# KiCad board CPU.kicad_pcb (continued)
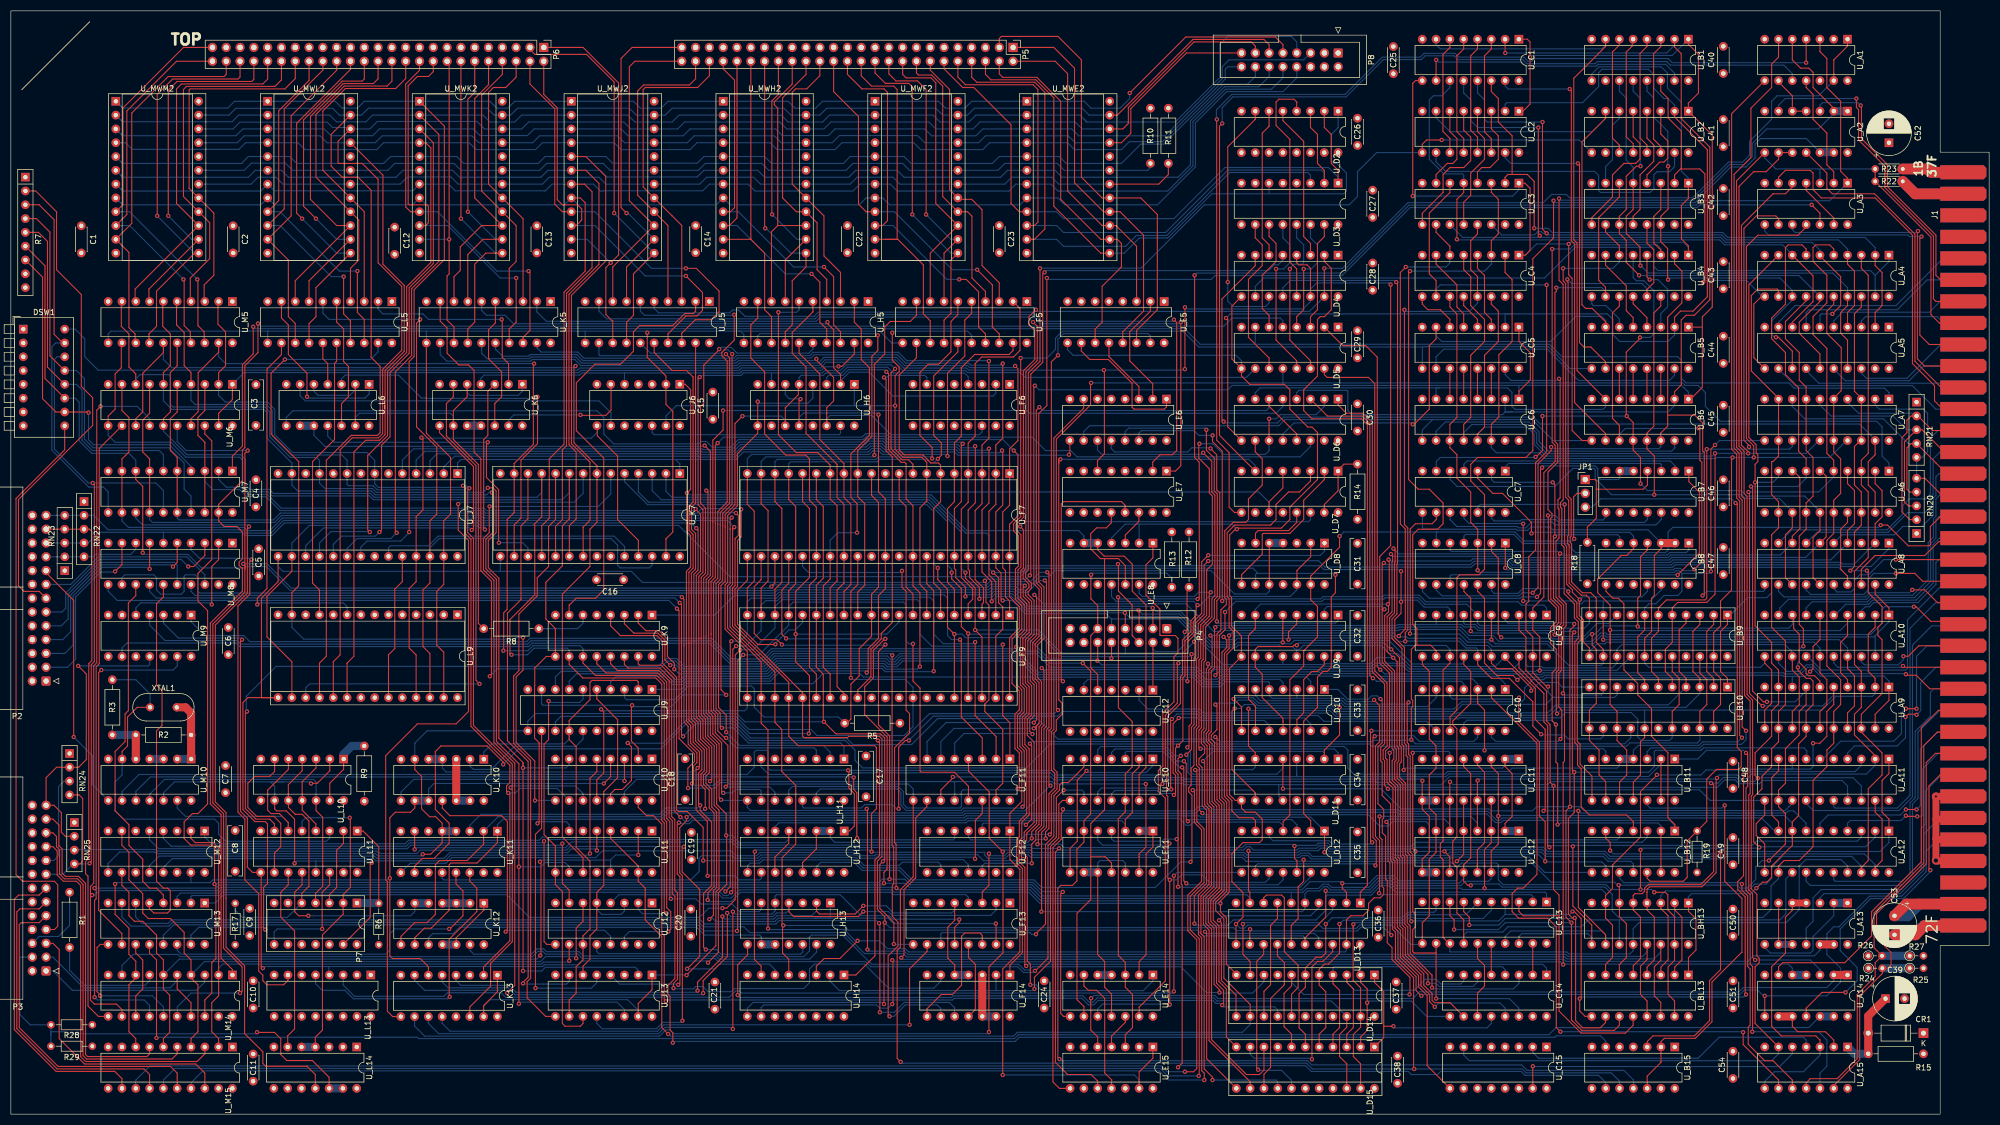
[diagram p0: board, top side]
## Routing (per net, layer and track width the routed paths; a pad name or vN(x,y) marks a point on that pad's centre or on a via; arc(x,y) is an arc through that point) (continued)
MWS.A_{8}: length 332.3
  Top w0.2: U_MWL2.23 58.93,180.27 58.93,174.42 60.97,172.39 63.88,172.39 66.29,169.98 66.29,139.25 67.95,137.59 67.95,125.4 67.44,124.89 62.61,124.89 58.04,120.32 58.04,84.25 56.79,83 U_L9.18 ; U_MWE2.23 203.58,183.82 217.51,197.75 230.56,197.75 231.52,196.78 P8.11
  Bottom w0.2: U_MWK2.23 91.95,183.82 93.22,185.09 113.8,185.09 115.07,183.82 U_MWJ2.23 120.4,183.82 121.67,185.09 142.25,185.09 143.52,183.82 U_MWH2.23 148.85,183.82 150.12,185.09 170.19,185.09 171.46,183.82 U_MWF2.23 176.03,183.82 177.3,185.09 197.11,185.09 198.38,183.82 U_MWE2.23 ; 90.18,183.82 88.91,183.82 87.64,185.09 65.79,185.09 64.52,183.82 U_MWL2.23 60.46,183.82 59.21,185.07 41.39,185.07 40.14,183.82 U_MWM2.23
MWS.A_{9}: length 331.5
  Top w0.2: U_MWE2.22 204.6,181.28 205.62,182.3 205.62,185.21 217.7,197.29 228.22,197.29 228.98,196.53 P8.13 ; U_MWL2.22 60.2,179 60.2,174.93 64.65,174.93 67.57,172.01 67.57,156.64 71.92,152.29 71.92,140.55 68.4,137.03 68.4,125.21 67.63,124.44 62.8,124.44 60.58,122.22 60.58,84.51 59.33,83.25 U_L9.19
  Bottom w0.2: 62.23,181.53 59.19,181.53 58.19,182.53 42.15,182.53 40.9,181.28 U_MWM2.22 ; U_MWL2.22 66.05,181.28 67.41,182.65 85.76,182.65 87.13,181.28 U_MWK2.22 93.99,181.28 95.26,182.55 112.78,182.55 114.05,181.28 U_MWJ2.22 122.69,181.28 123.96,182.55 141.48,182.55 142.75,181.28 U_MWH2.22 149.61,181.28 150.88,182.55 168.92,182.55 170.19,181.28 U_MWF2.22 177.04,181.28 178.31,182.55 195.84,182.55 197.11,181.28 U_MWE2.22
MWS.A_{10}: length 319.8
  Top w0.2: 226.43,195.26 216.31,195.26 206.07,185.02 206.07,180.46 204.35,178.74 U_MWE2.21 ; U_MWL2.21 68.46,172.77 68.46,156.4 72.39,152.46 72.37,152.44 72.37,140.36 68.86,136.84 68.86,125.02 67.82,123.98 65.26,123.98 63.12,121.84 63.12,84.25 61.85,82.98 61.87,82.97 61.87,76.64
  Bottom w0.2: U_MWE2.21 195.84,178.74 194.57,180.01 179.33,180.01 178.06,178.74 U_MWF2.21 168.15,178.74 166.84,180.06 152.45,180.06 151.14,178.74 U_MWH2.21 141.74,178.74 140.47,180.01 125.74,180.01 124.47,178.74 U_MWJ2.21 112.91,178.74 111.64,180.01 97.29,180.01 96.02,178.74 U_MWK2.21 86.11,178.74 84.84,180.01 68.33,180.01 67.06,178.74 U_MWL2.21 58.17,178.74 56.9,180.01 42.93,180.01 41.66,178.74 U_MWM2.21
P7_1: length 19.6
  Top w0.2: R6.2 67.69,49.2 64.8,52.09 U_L11.1
  Bottom w1.5: R6.2 67.63,38.85 P7.1
P7_2: length 58.3
  Top w0.2: v1(62.36,54.53) 62.46,54.43 62.46,41.73 61.14,40.42 P7.2 61.14,36.81 57.33,32.99 57.33,15.47 56.02,14.15 U_L14.4
  Bottom w0.2: U_L11.5 53.58,53.88 54.23,54.53 v1(62.36,54.53)
  Bottom w1.5: U_L14.4 U_L14.5
P7_3: length 14.3
  Top w0.2: P7.3 58.61,40.37 59.93,41.69 59.93,48.55 61.19,49.81 U_L11.2
P7_4: length 56.4
  Top w0.2: P7.4 56.06,40.62 57.37,41.93 57.37,54.63 56.16,55.85 U_L10.12
  Bottom w0.2: U_L10.12 56.16,61.12 55.68,61.59 28.27,61.59 25.55,58.87 U_M10.11
P7_5: length 45.6
  Top w0.2: P7.5 53.53,40.62 54.84,41.94 54.84,53.92 53.6,55.17 52.33,55.17 51.08,56.42 U_L10.10 ; 51.06,57.72 51.06,60.63 53.6,63.18 53.6,65.34
  Bottom w0.2: P7.5 50.87,36.19 42.6,36.19 41.28,37.52 R17.1
P7_8: length 22.3
  Top w0.2: v1(57.28,34.08) 57.28,40.82 58.66,42.19 U_L11.14
  Bottom w0.2: 48.44,31.23 48.44,33.51 49.01,34.08 v1(57.28,34.08)
P7_13: length 90.2
  Top w0.2: v1(52.2,46.16) 52.2,54.28 50.68,55.8 48.9,55.8 48.53,56.17 U_L10.9 ; v1(55.22,60.84) 55.27,60.88 56.39,60.88 58.68,63.18 58.68,65.34 ; v1(66.42,46.27) 66.12,45.97 66.12,36.2 P7.13
  Bottom w0.2: v1(52.2,46.16) 52.61,46.57 56.1,46.57 ; v1(66.42,46.27) 66.12,46.57 56.1,46.57 ; 56.1,46.57 56.11,46.56 U_L11.13 ; U_M10.12 28.09,59.12 30.1,61.14 50.17,61.14 ; U_L10.9 48.53,60.36 47.75,61.14 54.92,61.14 v1(55.22,60.84)
Res.D_{0}: length 288.7
  Top w0.2: U_B4.3 303.58,159.01 302.26,160.32 ; v1(281.31,81.61) 281.31,87.81 280.04,89.08 U_C9.2 280.04,93.14 282.07,95.17 282.07,118.03 284.16,120.12 284.16,123.06 283.59,123.62 v1(283.59,159.18) ; U_B3.3 303.58,166.47 302.26,165.15 ; 302.31,160.32 302.31,165.15 ; v1(221.11,6.27) 221.11,6.78 219.56,8.33 219.56,32.64 218.96,33.24 218.96,40.12 220.91,42.06 220.91,56.32 220.11,57.12 220.11,67.78 219.5,68.39 219.5,70.27 219.96,70.73 219.96,81.92 220.26,82.22 v1(220.26,82.85)
  Bottom w0.2: v1(283.59,159.18) 286.9,159.18 287.67,159.96 302.88,159.96 303.58,159.26 U_B4.3 ; U_D15.15 233.11,5.96 232.79,6.27 v1(221.11,6.27) ; v1(220.26,82.85) 220.85,82.27 241.11,82.27 241.42,81.97 250.59,81.97 251.13,82.51 256.1,82.51 257.15,81.46 280.53,81.46 280.73,81.66 295.52,81.66 U_B9.15
Res.D_{1}: length 274.6
  Top w0.2: v1(220.72,88.06) 221.02,87.76 221.02,82.33 220.42,81.73 220.42,70.54 219.96,70.08 219.96,68.58 220.56,67.97 220.56,57.31 221.36,56.51 221.36,41.88 219.42,39.93 219.42,34.92 220.47,33.86 220.47,13.52 228.03,5.96 U_D15.13 ; U_B3.13 301.04,160.28 302.3,159.02 302.3,152.99 301.04,151.74 U_B4.13 ; v1(272.41,87.3) 272.42,87.31 U_C9.5 ; U_B9.13 292.99,85.52 291.72,86.79 291.72,94.92 290.71,95.94 289.14,95.94 287.17,97.9 287.17,104.94 286.9,105.21 286.9,106.15 287.1,106.35 287.1,113.14 286.53,113.7 286.53,153.04 286.39,153.18 v1(286.39,153.61)
  Bottom w0.2: v1(286.39,153.61) 287.16,152.83 300.1,152.83 301.04,151.9 U_B4.13 ; v1(220.72,88.06) 222.32,88.06 223.25,88.99 255.35,88.99 255.53,89.17 266.54,89.17 268.41,87.3 272.41,87.3 v1(272.41,87.3) 273.19,86.53 282.71,86.53 286.67,82.57 292.58,82.57 292.99,82.98 U_B9.13
Res.D_{2}: length 241.9
  Top w0.2: v1(285.63,155.63) 285.63,153.3 286.08,152.85 286.08,113.52 286.64,112.95 286.64,106.53 286.45,106.34 286.45,105.02 286.72,104.75 286.72,97.71 288.95,95.48 289.89,95.48 290.45,94.92 U_B9.11 ; U_B4.6 295.96,159.77 293.42,162.31 U_B3.10 ; v1(223.4,92.38) 223.4,92.37 223.4,89.14 222.38,88.12 222.38,58.06 223.25,57.19 223.25,41.19 221.23,39.18 221.23,35.67 222.29,34.62 222.29,24.4 223.65,23.04 223.65,14.2 U_D15.11
  Bottom w0.2: U_B4.6 295.96,156.82 294.77,155.63 v1(285.63,155.63) ; v1(223.4,92.38) 225.38,94.36 241.23,94.36 241.63,94.76 252.6,94.76 252.87,95.03 258.95,95.03 260.17,93.81 267.9,93.81 U_C9.6 269.88,90.35 270.33,89.89 284.89,89.89 285.38,89.41 289.51,89.41 290.45,90.35 U_B9.11
Res.D_{3}: length 273.3
  Top w0.2: U_B4.10 293.42,152.15 292.15,153.42 292.15,165.02 ; v1(284.36,152.07) 284.36,151.38 284.1,151.12 284.1,123.75 284.61,123.24 284.61,119.93 282.83,118.15 282.83,111.22 283.58,110.47 283.58,109.85 283.34,109.61 283.34,94.8 284.81,93.33 284.81,90.41 284.06,89.66 v1(284.06,88.2) ; v1(221.62,89.59) 221.47,89.44 221.47,82.14 220.87,81.54 220.87,70.36 220.41,69.89 220.41,68.77 221.02,68.16 221.02,57.5 221.89,56.63 221.89,41.76 219.87,39.74 219.87,35.11 220.93,34.05 220.93,13.7 227.34,7.29 229.75,7.29 230.57,8.11 U_D15.9 ; U_B3.6 295.96,168.75 292.23,165.02
  Bottom w0.2: U_C9.9 262.26,90.09 262.27,90.08 262.5,90.08 ; 262.5,90.08 255.16,90.08 254.97,89.89 221.93,89.89 v1(221.62,89.59) ; 262.5,90.08 262.51,90.09 266.95,90.09 267.4,89.64 269.3,89.64 269.96,88.99 283.27,88.99 v1(284.06,88.2) 284.36,87.9 289.48,87.9 291.87,90.29 294,90.29 U_B9.9 ; v1(284.36,152.07) 284.37,152.08 292.73,152.08 293.42,151.39 U_B4.10
Res.D_{4}: length 418.8
  Top w0.2: v1(257.69,68.9) 257.69,74.73 257.93,74.98 257.93,76.13 257.69,76.38 257.69,85.52 258.45,86.28 261.24,86.28 262.26,85.27 U_C9.12 ; U_C4.3 272.4,160.69 273.69,161.98 273.69,168.33 272.4,169.62 U_C3.3 ; v1(222.9,20.05) 223.14,20.3 223.14,22.78 221.83,24.09 221.83,34.43 220.78,35.48 220.78,39.37 222.8,41.38 222.8,57 221.93,57.87 221.93,69.09 v1(221.62,69.39) ; U_J10.15 115.43,56.45 116.97,54.91 118.24,54.91 119.76,53.39 119.76,33.33 120.22,32.88 120.22,21.05 v1(120.52,20.75) ; 258.7,86.28 258.7,89.33 257.94,90.09 257.94,106.6 258.96,107.62 262.51,107.62 263.53,108.64 263.53,112.45 260.99,114.99 258.96,114.99 257.18,116.76 257.18,154.86 v1(257.43,155.12)
  Bottom w0.2: v1(257.43,155.12) 271.15,155.12 272.4,156.37 U_C4.3 ; v1(221.62,69.39) 222.45,68.56 250.22,68.56 250.31,68.46 250.63,68.79 257.58,68.79 v1(257.69,68.9) 258.44,68.14 296.95,68.14 298.07,69.27 U_B10.15 ; v1(120.52,20.75) 120.77,21.01 173.23,21.01 173.54,21.31 197.06,21.31 198.26,20.12 199.26,20.12 200.06,20.91 221.18,20.91 221.74,20.36 222.59,20.36 v1(222.9,20.05) 223.21,19.74 232.54,19.74 233.11,19.17 U_D14.15
Res.D_{5}: length 401
  Top w0.2: U_C9.15 269.88,82.73 272.42,80.19 275.72,80.19 280.04,75.87 280.04,71.43 v1(281.56,69.9) ; U_J11.4 110.35,50.74 115.43,45.66 U_J11.15 115.43,42.87 116.72,41.58 116.72,35.74 119.76,32.69 119.76,15.93 v1(120.94,14.75) ; U_C3.13 269.86,162 269.88,161.98 268.61,160.71 268.61,155.37 269.88,154.1 269.86,154.08 U_C4.13 ; U_D14.13 228.03,20.18 223.2,25.02 223.2,35.94 221.69,37.45 221.69,38.99 223.7,41.01 223.7,57.38 222.83,58.25 222.83,84.97 223.7,85.84 223.7,87.24 v1(223.13,87.81) ; v1(256.42,148) 256.42,108.48 257.03,107.86 257.03,89.08 256.57,88.62 v1(256.57,86.98)
  Bottom w0.2: U_C9.15 269.88,85.52 269.62,85.78 267.73,85.78 266.46,87.05 256.63,87.05 v1(256.57,86.98) 255.3,86.98 254.23,88.06 225.43,88.06 224.67,87.31 223.63,87.31 v1(223.13,87.81) ; v1(281.56,69.9) 281.69,69.77 285.82,69.77 286.54,69.05 292.52,69.05 292.99,69.52 U_B10.13 ; U_C4.13 269.86,149.2 268.35,147.7 256.72,147.7 v1(256.42,148) ; U_D14.13 228.03,16.49 226.59,15.06 185.19,15.06 184.48,14.35 121.34,14.35 v1(120.94,14.75)
Res.D_{6}: length 339.4
  Top w0.2: U_C9.16 272.42,82.98 273.43,81.97 276.21,81.97 279.74,78.44 v1(279.74,77.9) ; U_C4.6 264.78,159.67 264.8,159.69 262.24,162.25 U_C3.10 ; v1(256.67,155.88) 255.66,154.87 255.66,108.59 256.58,107.67 256.58,89.27 255.39,88.08 v1(255.39,87.96) ; 225.59,25.68 223.65,27.61 223.65,36.13 222.56,37.22 v1(222.56,38.8) 222.56,39.22 224.16,40.82 224.16,57.57 223.29,58.44 223.29,84.79 224.16,85.66 v1(224.16,88.06)
  Bottom w0.2: v1(279.74,77.9) 281.26,79.43 284.61,79.43 285.45,78.59 U_B10.11 ; v1(224.16,88.06) 224.63,88.53 254.4,88.53 255.18,87.75 v1(255.39,87.96) 255.6,87.75 255.69,87.84 255.72,87.81 256.81,87.81 257.07,87.55 266.59,87.55 267.91,86.23 271.71,86.23 272.42,85.52 U_C9.16 ; v1(256.67,155.88) 264.04,155.88 264.78,156.62 U_C4.6 ; v1(222.56,38.8) 222.55,38.79 189.36,38.79 187.31,40.83 162.55,40.83 162.1,41.28 134.05,41.28 132.55,39.77 130.96,39.77 130.36,40.37 111.87,40.37 U_J12.4
Res.D_{7}: length 394.6
  Top w0.2: v1(282.58,152.58) 282.58,121.89 280.55,119.86 280.55,103.81 279.28,102.54 279.28,94.36 278.77,93.85 278.77,89.08 280.04,87.81 U_C9.19 280.04,81.2 282.58,78.66 v1(282.83,78.66) ; v1(222.39,22.38) 222.39,22.9 221.38,23.9 221.38,34.24 220.33,35.29 220.33,39.55 222.34,41.57 222.34,56.82 221.47,57.69 221.47,68.35 220.86,68.95 220.86,69.71 221.93,70.77 221.93,75.06 v1(221.63,75.36) ; U_C3.6 264.78,169.58 260.99,165.79 260.99,154.61 262.24,153.36 U_C4.10
  Bottom w0.2: v1(282.83,78.66) 282.83,77.65 283.81,76.67 285.41,76.67 ; 285.41,76.67 283.72,76.67 282.45,75.4 267.08,75.4 265.77,74.09 244.17,74.09 243.11,75.15 229.45,75.15 228.42,76.18 225.85,76.18 225.3,75.62 221.89,75.62 v1(221.63,75.36) ; 285.41,76.67 295.06,76.67 295.53,77.14 U_B10.9 ; U_D14.9 230.57,24.37 228.48,22.28 222.49,22.28 v1(222.39,22.38) 220.01,22.38 215.27,27.12 187.99,27.12 187.39,26.52 186.51,26.52 185.45,27.57 158.4,27.57 153.03,32.94 147.32,32.94 146.94,32.56 146.94,30.02 145.89,28.97 130.49,28.97 129.93,29.53 108.19,29.53 107.81,29.91 U_J12.12 ; v1(282.58,152.58) 263.02,152.58 262.24,151.8 U_C4.10
SEQ.S1_{1}: length 55.9
  Top w0.2: 78.87,126.67 78.87,125.4 85.11,119.16 85.11,107.79 v1(84.81,107.49)
  Bottom w0.2: v1(84.81,107.49) 84.45,107.86 57.52,107.86 54.25,104.59 U_J7.17
SEQ.S2_{1}: length 92.3
  Top w0.2: 81.42,134.29 81.42,132.01 80.14,130.73 80.14,124.77 85.57,119.35 85.57,79.84 v1(86.24,79.17)
  Bottom w0.2: v1(86.24,79.17) 54.99,79.17 54.25,78.43 U_L9.17
SEQ.SH_{0}: length 97.1
  Top w0.2: U_J7.16 51.71,99.88 47.12,95.29 47.12,87.81 51.71,83.22 U_L9.16 ; U_K6.3 87.76,133.01 87.76,124.89 87,124.13 87,107.8 v1(87.23,107.57)
  Bottom w0.2: v1(87.23,107.57) 86.93,107.87 86.2,107.87 85.74,108.33 54.94,108.33 51.71,105.09 U_J7.16
SEQ.~{FE}: length 110.8
  Top w0.2: U_K7.25 115.46,105.57 111.64,109.4 111.64,121.08 107.89,124.83 107.89,126.67 ; U_L9.25 74.57,84.49 73.28,85.78 73.28,96.7 74.57,97.98 U_J7.25 74.57,109.92 75.82,111.18 75.82,124.2 v1(75.54,124.48)
  Bottom w0.2: 107.89,126.67 107.89,125.47 106.81,124.38 75.64,124.38 v1(75.54,124.48)
SEQ.~{RE}: length 121.7
  Top w0.2: U_E6.9 194.86,121.5 v1(194.69,121.34)
  Bottom w0.2: 122.3,120.45 133.39,120.45 134.78,121.84 157.75,121.84 158.37,122.46 159.91,122.46 160.53,121.84 173.66,121.84 174.26,121.24 194.6,121.24 v1(194.69,121.34) ; 122.3,120.45 123.08,119.67 U_K7.1 ; 122.3,120.45 82.81,120.45 82.19,119.83 U_J7.1
VERIFY_CR1: length 15.8
  Top w1.5: C39.1 341.76,18.09 CR1.2 R15.2
  Bottom w1.5: R15.2 339.22,11.1 337.96,12.36
Net-(J1-Pad30): length 32.7
  Top w1.27: 354.21,50.72 354.21,46.91 354.54,46.58 J1.33 ; 354.21,50.72 354.39,50.54 J1.68 ; 354.21,50.72 354.21,54.28 ; v3(354.21,58.46) J1.30 354.32,58.46 354.21,58.34 354.21,54.28 ; 354.21,54.28 357.03,54.28
  Bottom w1.27: v2(354.21,46.66) 357.17,46.66 ; v3(354.21,58.46) J1.30
Net-(JP1-Pad1): length 26.4
  Top w0.2: R18.2 290.07,108 291.72,109.65 291.72,114.99 ; 291.72,114.99 291.72,116.51 291.47,116.76 JP1.1 ; 291.72,114.99 300.36,114.99 301.12,115.75 U_B7.4
Net-(JP1-Pad3): length 113.4
  Top w0.2: U_B12.12 301.08,43.4 301.63,42.85 307.72,42.85 308.44,43.56 308.44,50.27 R19.2 312.04,53.87 312.04,61.65 313.82,63.42 317.88,63.42 318.39,63.93 318.39,66.73 317.65,67.47 317.65,112.15 v1(317.35,112.45)
  Bottom w0.2: JP1.3 290.96,111.68 292.48,113.21 316.61,113.21 317.35,112.48 v1(317.35,112.45)
Net-(P2-Pad5): length 35.8
  Top w0.2: v1(25.53,100.32) 25.52,100.32 U_M8.7
  Bottom w0.2: v1(25.53,100.32) 25.23,100.62 16.74,100.62 11.45,95.33 11.45,86.31 9.91,84.77 P2.5
Net-(P2-Pad7): length 37.8
  Top w0.2: 30.6,105.08 30.6,101.52 v1(29.82,100.74)
  Bottom w0.2: v1(29.82,100.74) 29.49,101.07 16.55,101.07 11,95.52 11,88.77 9.54,87.31 P2.7
Net-(P2-Pad13): length 90.6
  Top w0.2: R7.2 4.56,169.87 8.4,166.02 8.4,155.35 12.96,150.8 12.96,133.91 15.05,131.82 15.05,126.73 1.4,113.08 1.4,97.21 2.42,96.19 5.22,96.19 P2.13
Net-(P3-Pad4): length 85.1
  Top w0.2: v1(45.3,15.08) 45.34,15.04 48.52,15.04 49.66,13.89 49.66,10.97 50.78,9.85 55.48,9.85 58.56,6.78 U_L14.12
  Bottom w0.2: R29.1 7.37,14.53 ; 7.37,14.53 7.37,15.16 10.04,15.16 10.42,14.78 45,14.78 v1(45.3,15.08) ; 7.37,14.53 R28.2 3.56,16.43 1.65,18.34 1.65,28.89 P3.4
  Bottom w1.5: U_L14.12 U_L14.13
Net-(P3-Pad5): length 51.5
  Top w0.2: P3.5 7.74,31.43 8.89,30.28 8.89,13.89 12.38,10.41 12.38,10.4 13.55,9.23 34,9.23 35.69,7.55 U_M15.18
Net-(P3-Pad6): length 14.3
  Bottom w0.2: P3.6 5.2,32.69 8.77,32.69 10.8,34.72 R1.1
Net-(P3-Pad9): length 59.9
  Top w0.2: P3.9 5.2,35.23 1.91,35.23 1.55,34.87 1.55,15.92 8.69,8.78 29.38,8.78 30.6,7.55 30.6,4.74
Net-(P3-Pad11): length 58.1
  Top w0.2: U_M15.14 25.52,7.29 24.5,8.32 8.5,8.32 1.09,15.73 1.09,37.21 1.65,37.77 5.21,37.77 5.21,37.78 P3.11
Net-(P3-Pad13): length 56
  Top w0.2: P3.13 5.21,40.32 5.21,40.31 1.4,40.31 0.64,39.55 0.64,15.54 8.32,7.87 19.11,7.87 20.45,6.53 U_M15.12
Net-(P3-Pad19): length 68.5
  Top w0.2: P3.19 7.74,49.21 8.51,48.44 8.51,43.99 9.66,42.85 12.07,42.85 12.83,42.09 12.83,10.59 13.74,9.68 34.27,9.68 35.69,11.1 U_M15.3
Net-(P3-Pad21): length 65.2
  Top w0.2: 30.6,12.36 30.6,11.1 29.64,10.14 13.93,10.14 13.28,10.78 13.28,42.28 12.26,43.3 9.84,43.3 8.97,44.18 8.97,48.63 8.38,49.21 8.38,51.1 7.74,51.75 P3.21
Net-(P3-Pad23): length 61.9
  Top w0.2: P3.23 7.74,54.29 8.84,53.19 8.84,49.4 9.42,48.81 9.42,44.37 10.03,43.76 12.44,43.76 13.74,42.46 13.74,10.97 14.11,10.59 25.02,10.59 25.52,11.09 U_M15.7
Net-(P4-Pad4): length 26.9
  Top w0.2: v1(216,88.73) 216.41,89.14 216.41,96.57 ; U_E12.1 P4.4
  Bottom w0.2: v1(216,88.73) 215.9,88.63 215.9,86.36 214.63,85.09 210.62,85.09 210.14,85.57 P4.4
Net-(R2-Pad1): length 8.7
  Top w1.5: R2.1 22.99,65.35
  Bottom w1.5: R3.2 R2.1
Net-(R2-Pad2): length 14.1
  Top w1.5: R2.2 33.15,73.84 32.13,74.85 XTAL1.2 ; U_M10.1 33.16,69.76
  Bottom w1.5: U_M10.1 U_M10.2
Net-(R3-Pad1): length 78.1
  Top w0.2: XTAL1.1 23.24,74.85 21.47,73.08 21.47,67.74 20.47,66.74 U_M10.6
  Bottom w0.2: U_L11.3 58.66,50.8 58.06,50.2 39.52,50.2 38.23,51.49 38.23,53.52 37.47,54.28 20.7,54.28 19.18,55.8 19.18,61.14 20.47,62.42 U_M10.6 ; XTAL1.1 25.62,77.3 22.99,79.93 R3.1
Net-(R8-Pad1): length 10
  Bottom w0.2: R8.1 104.27,89.33 105.27,90.33 105.27,91.83
Net-(R8-Pad2): length 101.9
  Top w0.2: U_L6.2 U_L6.13 ; R8.2 86.02,90.31 86.02,119.53 81.42,124.14 81.42,129.47 83.95,132.01 U_K6.5
  Bottom w0.2: 55.76,134.28 55.76,133.01 56.52,132.26 62.36,132.26 63.38,133.28 U_L6.2 ; U_K6.5 83.95,132.76 84.46,132.26 93.35,132.26 94.11,133.03 U_K6.1 ; 81.42,126.67 81.42,128.44 80.9,128.96 64.14,128.96 63.38,128.19 63.38,128.19 U_L6.13
Net-(R9-Pad1): length 14
  Top w0.2: 58.68,57.72 58.68,60.89 61.22,63.43 61.22,65.34
  Bottom w1.5: R9.1 62.74,67.74 61.22,66.22 61.22,65.34
Net-(R10-Pad2): length 182.5
  Bottom w0.2: R10.2 209.68,174.17 209.17,173.66 U_MWE2.19 193.81,173.66 192.54,174.93 182.89,174.93 181.62,173.66 U_MWF2.19 165.36,173.66 164.09,174.93 154.95,174.93 153.68,173.66 U_MWH2.19 139.45,173.66 138.18,174.93 127.77,174.93 126.5,173.66 U_MWJ2.19 110.24,173.66 108.97,174.93 98.56,174.93 97.29,173.66 U_MWK2.19 82.81,173.66 81.54,174.93 70.62,174.93 69.35,173.66 U_MWL2.19 51.82,173.66 50.51,174.98 44.25,174.98 42.93,173.66 U_MWM2.19
Net-(R11-Pad2): length 187.6
  Top w0.2: U_MWE2.18 211.2,171.12 212.98,172.9 R11.2
  Bottom w0.2: U_MWM2.18 44.2,171.12 45.47,172.39 48.77,172.39 50.04,171.12 U_MWL2.18 71.63,171.12 72.95,172.44 80.99,172.44 82.3,171.12 U_MWK2.18 97.8,171.12 99.07,172.39 108.21,172.39 109.48,171.12 U_MWJ2.18 126.75,171.12 128.02,172.39 136.66,172.39 137.93,171.12 U_MWH2.18 154.44,171.12 155.71,172.39 162.31,172.39 163.58,171.12 U_MWF2.18 182.89,171.12 184.16,172.39 191.52,172.39 192.79,171.12 U_MWE2.18
Net-(R13-Pad2): length 39.8
  Top w0.2: U_E12.5 199.98,80.87 198.71,82.15 198.71,88.06 P4.11 199.98,93.57 198.72,94.83 198.72,99.21 v1(198.76,99.25)
  Bottom w0.2: v1(198.76,99.25) 199.06,99.55 212.67,99.55 213.62,98.6 R13.2
Net-(R14-Pad1): length 12.7
  Top w0.2: U_D7.1 244.21,114.72 241.67,112.18 U_D7.15 ; 244.21,118.53 245.28,119.6 R14.1
Net-(U_A1-Pad4): length 195.1
  Top w0.2: U_A1.4 v1(330.33,193.47) ; v1(221.9,183.03) 221.87,183.01 221.87,124 224.16,121.71 224.16,111.68 225.14,110.7 U_D7.9
  Bottom w0.2: v1(330.33,193.47) 305.69,193.47 304.93,194.23 280.28,194.23 280.28,194.18 279.84,193.73 279.14,193.73 278.39,194.49 266.45,194.49 265.75,195.19 260.04,195.19 259.34,194.49 252.35,194.49 245.49,187.63 224.67,187.63 221.81,184.78 221.81,183.12 v1(221.9,183.03)
Net-(U_A1-Pad9): length 9
  Top w0.2: 325.25,189.91 327.8,187.37 327.8,184.55 U_A2.4
Net-(U_A1-Pad10): length 307.6
  Top w0.2: 192.81,119.66 192.81,120.57 ; 192.81,119.66 192.81,76.23 193.42,75.62 193.42,73.58 192.36,72.52 192.36,70.6 191.91,70.15 191.91,63.52 192.51,62.92 192.51,59.83 191.45,58.78 191.45,51.75 v1(191.16,51.46) ; 192.81,119.66 192.81,120.47 192.83,120.49 v1(193.11,120.49) ; U_D7.7 222.39,124.9 222.39,181.8 v1(222.89,182.3)
  Bottom w0.2: U_D7.7 228.97,119.32 227.8,120.49 v1(193.11,120.49) ; v1(191.16,51.46) 191.13,51.49 186.82,51.49 185.8,50.47 176.66,50.47 176.2,50.93 U_F12.4 ; v1(222.89,182.3) 222.89,185.21 224.85,187.18 245.68,187.18 252.54,194.03 259.53,194.03 260.23,194.73 265.56,194.73 266.26,194.03 278.2,194.03 278.95,193.28 291.52,193.28 291.91,193.67 304.68,193.67 305.33,193.02 326.21,193.02 327.79,191.44 U_A1.10
Net-(U_A1-Pad11): length 21
  Top w0.2: 335.42,171.3 335.42,173.4 334.14,174.68 334.14,180.52 331.6,183.06 331.6,187.63 330.33,188.9 U_A1.11
Net-(U_A2-Pad12): length 174.1
  Top w0.2: U_C10.10 264.8,73.08 266.07,74.35 266.07,98.73 266.58,99.24 270.13,99.24 271.15,100.25 271.15,113.97 268.61,116.51 268.61,119.56 269.88,120.83 278.77,120.83 280.04,122.1 280.04,157.4 283.85,161.21 v1(283.85,168.07)
  Bottom w0.2: 332.88,177 330.37,179.5 321.95,179.5 320.93,178.49 320.93,175.95 319.26,174.28 316.47,174.28 309.9,167.71 283.96,167.71 283.85,167.82 v1(283.85,168.07)
  Bottom w1.5: 335.42,177 332.88,177
Net-(U_A3-Pad13): length 9.7
  Top w0.2: U_A3.4 330.33,169.97 335.42,164.89 335.42,163.68
Net-(U_A10-Pad6): length 89.9
  Top w0.2: U_C8.12 269.9,96.17 271.15,94.92 271.15,82.98 273.43,80.7 276.41,80.7 v1(277.21,79.9) ; v1(331.06,81.43) 331.6,81.97 331.6,86.03 332.87,87.3 332.87,91.61
  Bottom w0.2: 327.79,80.55 330.18,80.55 v1(331.06,81.43) ; 327.79,80.55 326.17,80.55 325.97,80.75 282.15,80.75 281.81,80.4 277.71,80.4 v1(277.21,79.9) ; 327.79,80.55 327.79,79.93 327.79,79.93 U_A9.8
Net-(U_A13-Pad1): length 22.3
  Bottom w0.2: 322.71,30.65 323.73,29.64 331.09,29.64 331.6,30.15 331.6,32.69 335.42,36.5 335.42,38.85
  Bottom w1.5: U_A13.1 335.42,38.85
Net-(U_A13-Pad4): length 53
  Top w0.2: U_A15.3 332.88,13.63 332.11,14.4 325.76,14.4 323.98,16.18 323.98,27.1 326.52,29.64 326.52,36.25 327.8,37.52 327.8,38.85
  Top w1.27: 327.8,38.85 U_A13.4
  Bottom w0.2: U_A15.8 322.71,6.01 322.71,6.02 324.49,7.8 329.82,7.8 332.88,10.85 U_A15.3
Net-(U_A13-Pad10): length 9.3
  Top w0.2: U_A13.9 325.25,37.95
  Bottom w1.27: 327.8,31.23 U_A13.9
Net-(U_A14-Pad10): length 14.3
  Top w0.2: 327.8,17.99 327.8,16.19 327.79,16.18 328.81,15.16 333.89,15.16 335.42,13.63 335.42,12.36
  Top w1.5: U_A14.9 327.8,17.99
Net-(U_A15-Pad4): length 54.8
  Bottom w0.2: 280.02,12.36 280.02,11.37 281.11,10.28 310.46,10.28 314.33,14.15 329.82,14.15 330.33,13.63 U_A15.4
Net-(U_A15-Pad5): length 54.1
  Top w0.2: 280.02,4.74 280.02,8.79 v1(280.04,8.81)
  Bottom w0.2: 327.8,12.36 327.8,11.1 325.45,8.76 280.08,8.76 v1(280.04,8.81)
Net-(U_A15-Pad9): length 122.4
  Top w0.2: v1(318.74,15.07) 318.74,12.79 325.25,6.27 U_A15.9 ; v1(285.12,15.16) 284.36,15.93 284.36,34.47 282.78,36.05 277.44,36.05 276.23,37.26 276.23,40.56 277.24,41.58 278.26,41.58 280.8,44.12 280.8,68.25 272.42,76.63 U_C10.2
  Bottom w0.2: v1(318.74,15.07) 318.65,15.16 v1(285.12,15.16)
Net-(U_A15-Pad10): length 66.6
  Top w0.2: v1(318.51,42.34) 318.51,41.21 319.57,40.15 319.57,27.17 320.02,26.72 320.02,16.35 319.67,15.99 319.67,12.87 322.71,9.83 324.23,9.83 327.8,6.27 327.8,4.74
  Bottom w0.2: 296.04,44.44 296.04,43.36 296.8,42.6 318.25,42.6 v1(318.51,42.34)
Net-(U_A15-Pad12): length 89.8
  Top w0.2: v1(319.27,66.47) 319.57,66.17 319.57,60.32 319.26,60.01 319.26,41.15 320.02,40.39 320.02,27.63 320.48,27.18 320.48,15.22 v1(320.42,15.16)
  Bottom w0.2: v1(320.42,15.16) 332.62,15.16 334.14,13.64 334.14,8.81 332.88,7.55 U_A15.12 ; v1(319.27,66.47) 318.8,66.94 311.98,66.94 310.38,65.34 U_B11.1
Net-(U_B1-Pad2): length 188.2
  Top w0.2: U_C1.2 274.94,195.27 v1(274.96,195.25) ; U_B1.2 306.12,196.35 307.34,195.12 307.34,183.19 312.6,177.92 312.6,149.84 309.76,146.99 308.23,146.99 307.34,146.1 307.34,134.16 306.12,132.94 U_B6.2
  Bottom w0.2: U_D6.4 236.59,132.75 237.02,133.18 245.84,133.18 246,133.02 246,129.46 246.76,128.7 274.45,128.7 274.96,129.21 276.23,129.21 ; U_B1.2 306.12,196.69 304.68,195.25 v1(274.96,195.25) ; 276.23,129.21 274.94,129.21 U_C6.2 ; 276.23,129.21 304.93,129.21 306.12,130.4 U_B6.2
Net-(U_B1-Pad3): length 22
  Top w0.2: U_B1.3 303.58,196.44 302.26,195.12 302.26,179.38 303.58,178.06 303.58,176.93
Net-(U_B1-Pad4): length 22
  Top w0.2: 299.72,195.12 301.04,196.44 U_B1.4 ; 299.72,179.63 301.04,178.31 301.04,176.93 ; 299.77,179.63 299.77,195.12
Net-(U_B1-Pad5): length 21.6
  Top w0.2: 298.5,176.93 298.5,178.57 297.31,179.76 ; 297.31,195.5 298.33,196.52 298.33,197.62 ; 297.23,195.5 297.23,179.76
Net-(U_B1-Pad6): length 21.9
  Top w0.2: 294.77,195.5 295.96,196.69 U_B1.6 ; 294.69,179.5 294.69,195.5 ; 295.96,176.93 295.96,178.31 294.77,179.5
Net-(U_B1-Pad7): length 178.5
  Top w0.2: U_B1.7 293.42,196.44 287.58,190.6 287.58,160.89 288.18,160.29 288.18,136.81 U_B6.7
  Bottom w0.2: U_C1.7 262.24,196.79 263.02,196.01 292.74,196.01 293.42,196.69 U_B1.7 ; U_C6.7 262.24,133.64 262.93,133.64 ; U_B6.7 293.42,130.15 292.94,129.66 276.79,129.66 276.2,130.26 276.2,132.8 275.36,133.64 262.93,133.64 ; 262.93,133.64 229.85,133.64 228.97,132.75 U_D6.7
Net-(U_B1-Pad15): length 50.3
  Top w0.2: U_C1.10 262.24,193.96 v1(262.26,193.98)
  Bottom w0.2: U_B1.15 306.12,191.52 304.48,193.16 292.04,193.16 291.7,192.83 278.76,192.83 278.01,193.58 262.66,193.58 v1(262.26,193.98)
Net-(U_B2-Pad2): length 204
  Top w0.2: v1(223.6,146.48) 223.9,146.17 223.9,126.47 U_D6.9 ; U_B5.2 306.12,146.66 307.22,147.75 309.5,147.75 312.15,150.4 312.15,177.46 306.12,183.49 U_B2.2
  Bottom w0.2: U_B2.2 306.12,185.68 304.93,186.87 304.17,186.87 302.31,188.73 302.31,191.27 301.32,192.26 292.79,192.26 292.15,191.61 292.15,189.07 289.18,186.11 275.21,186.11 274.94,185.83 U_C2.2 ; 276.23,147.24 293.75,147.24 294.77,146.23 294.77,143.43 296.04,142.16 304.93,142.16 306.12,143.35 U_B5.2 ; 276.23,147.24 274.94,147.24 U_C5.2 ; 276.23,147.24 224.36,147.24 v1(223.6,146.48)
Net-(U_B2-Pad3): length 15.8
  Top w0.2: U_B3.4 301.04,172.82 303.41,175.18 304.17,175.18 304.88,175.9 304.88,179.04 303.58,180.34 U_B2.3
Net-(U_B2-Pad4): length 23
  Top w0.2: 299.77,172.77 299.77,166.42 ; U_B2.4 301.04,179.58 302.29,178.33 302.29,175.34 299.72,172.77 ; 299.72,166.42 298.5,165.2 U_B3.12